# Altium PCB Mirny.PcbDoc (part 3 of 8)
Units mm, origin at the board's own origin, x right, y up, seen from the top; angles counter-clockwise.
Board outline 161.99 x 100.04 mm, 6 copper layers (L1, P2, L3, L4, P5, L6), stack 1.56 mm thick; 832 components, 485 nets, 2438 pads, 1482 vias.
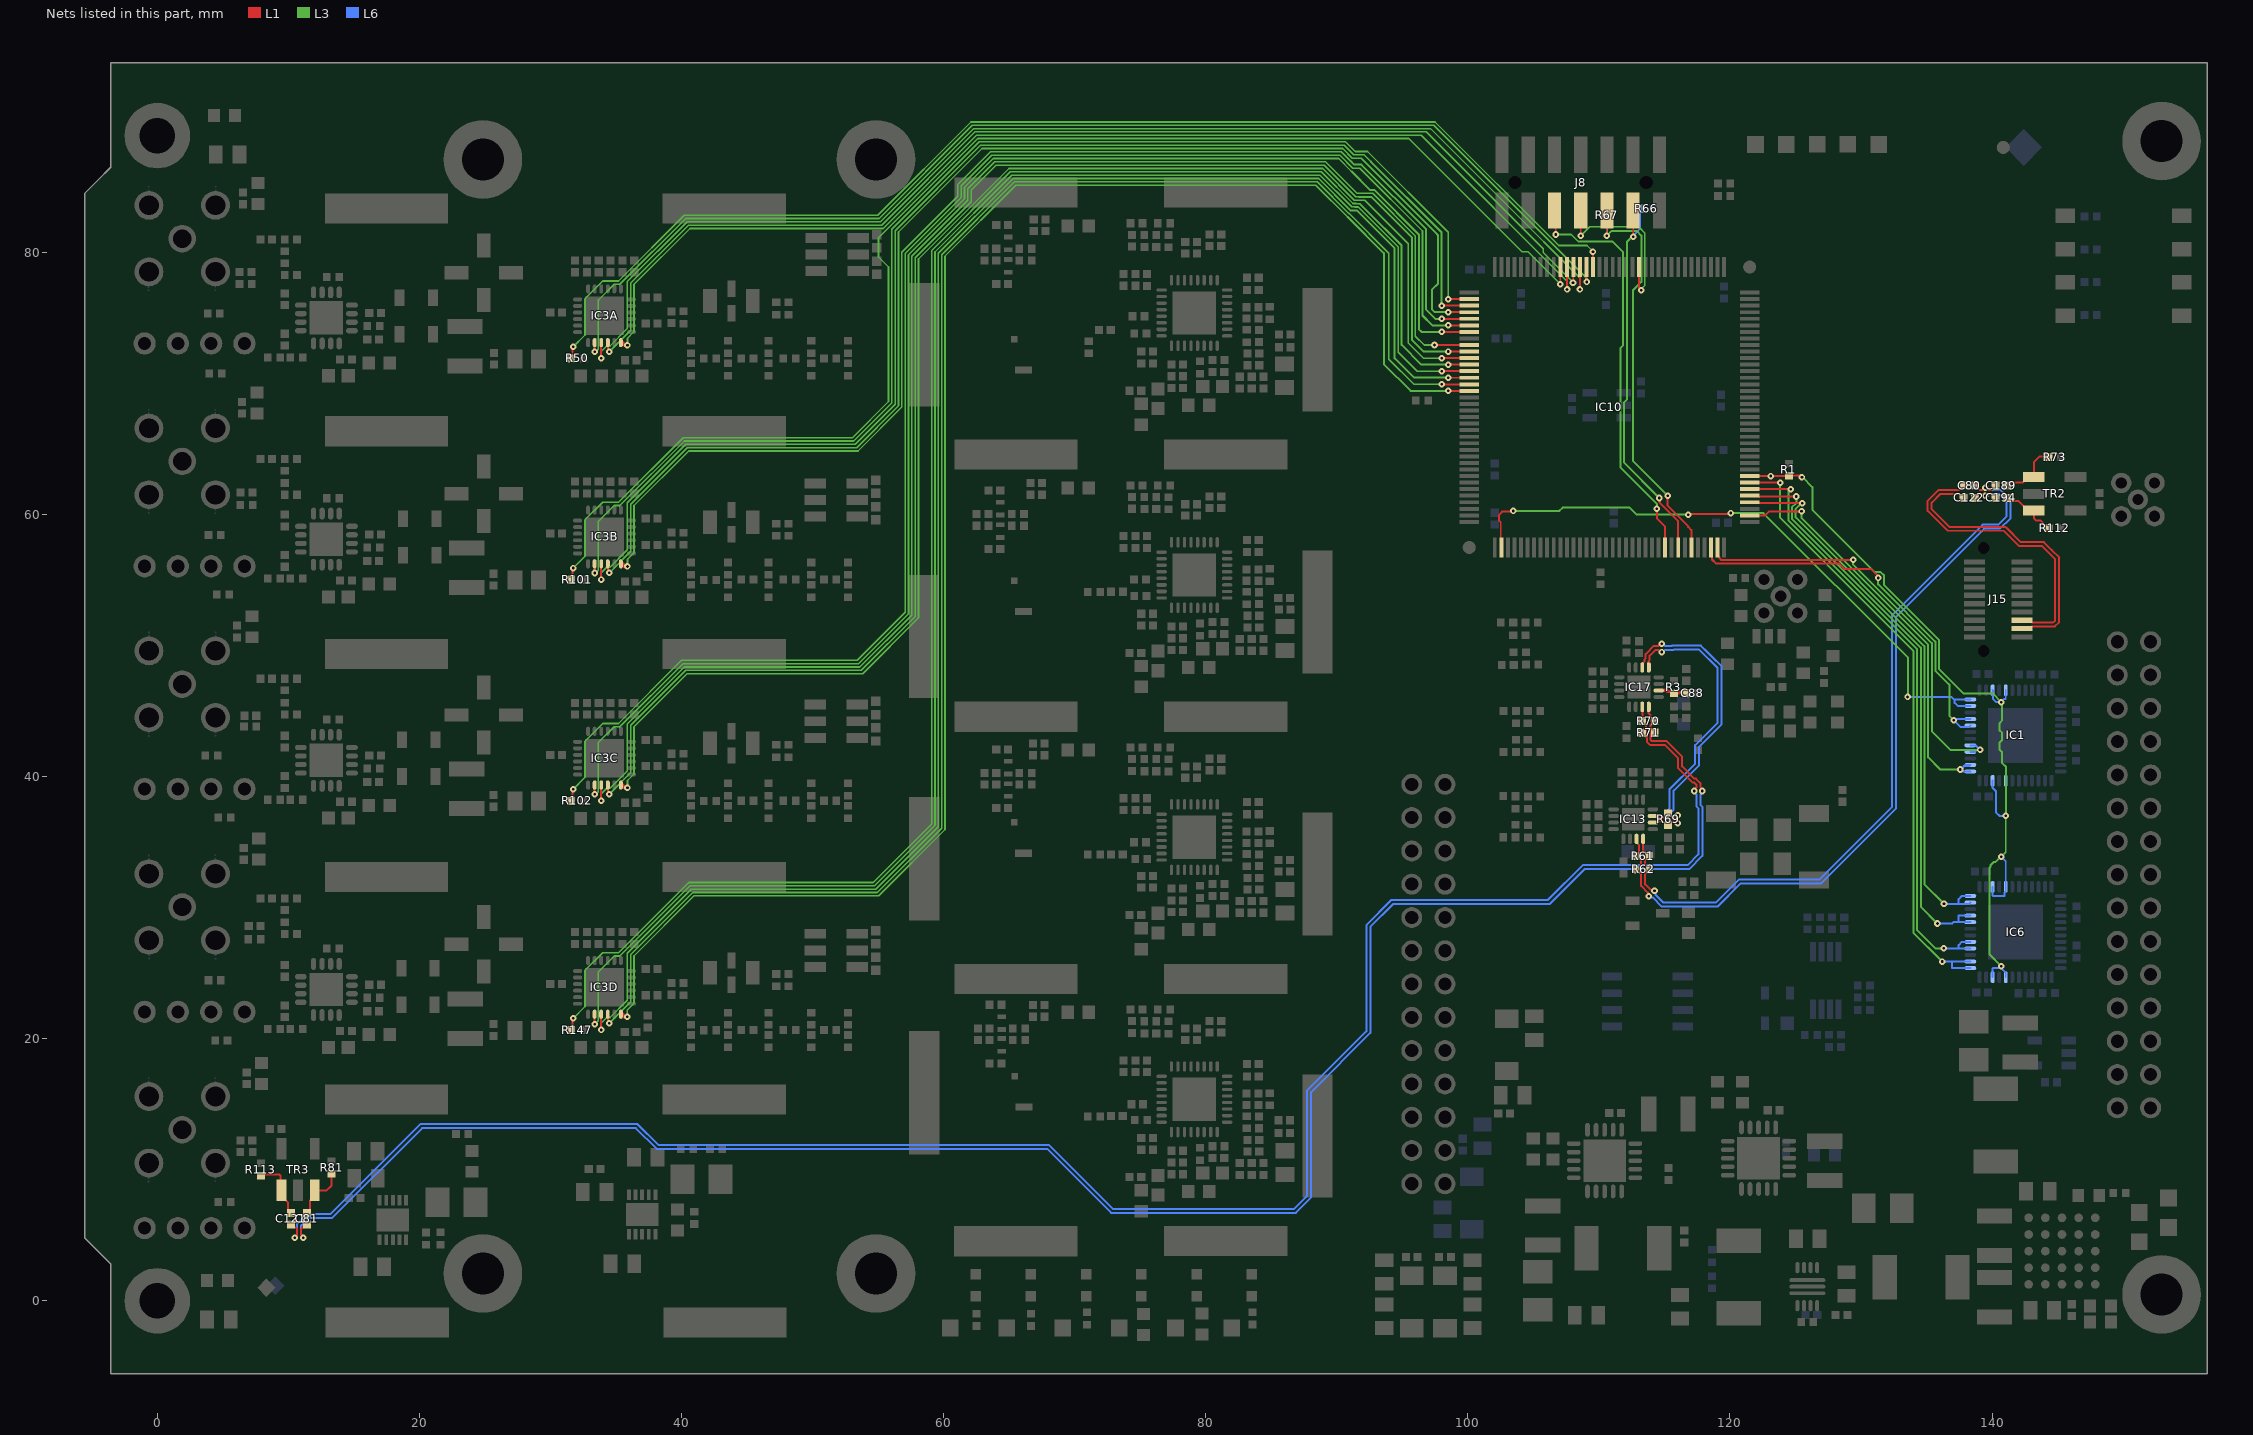
[diagram p7: the nets of this part, all layers, seen from the top]

## Part data (continued)
C28A C28B C28C C28D C30A C30B C30C C30D C38A C38B C38C C38D C46A C46B C46C C46D C63 C77 C94 C98 C100 C101 C104 C107 C139A C139B C139C C139D C140A C140B C140C C140D C160 C165 C197 C198: library part CC0402_1UF_16V_10%_X5R, "Non-polarised capacitor", Case=0402, Manufacturer=GENERIC, Manufacturer1 ComponentHeight=0.55mm, Manufacturer1 Example=TDK, Manufacturer1 Part Number=C1005X5R1C105KT, Tolerance=±10%, Voltage=16V, Author="CERN DEM JLC", Component Type=Standard, CreateDate=2012-10-25, HelpURL=\\cern.ch\dfs\Applications\Altium\Datasheets\CC0402_X5R_TDK_C.pdf, LatestRevisionDate=2012-10-25, Manufacturer Part Number=CC0402_1UF_16V_10%_X5R, Part Description="SMD Multilayer Chip Ceramic Capacitor", Part Number=CC0402_1UF_16V_10%_X5R, Pin Count=2, Sense=No, SMD=Yes, Socket=No, Status=Preferred, TC=X5R
  C28A C28B C28C C28D C30A C30B C30C C30D C38A C38B C38C C38D C63 C77 C94 C98 C100 C101 C104 C107 C139A C139B C139C C139D C140A C140B C140C C140D C160 C165 C197 C198: Mounted=Yes
  C46A C46B C46C C46D: Mounted=DNP
C42A C42B C42C C42D: library part CC0805_1UF_35V_20%_X7R, "Non-polarised capacitor", Case=0805, Manufacturer=GENERIC, Manufacturer1 ComponentHeight=1.35mm, Manufacturer1 Example="TAIYO YUDEN", Manufacturer1 Part Number=TMK212B7225MG-TR, Manufacturer Part Number=CC0805_2U2F_25V_20%_X7R, Tolerance=±20%, Voltage=25V, Author="CERN DEM JLC", Component Type=Standard, CreateDate=2011-06-22, HelpURL=\\cern.ch\dfs\Applications\Altium\Datasheets\CC0805_X7R_TAIYO-YUDEN_HIGH-VALUE.pdf, LatestRevisionDate=2011-06-22, Mounted=Yes, Part Description="SMD Multilayer Chip Ceramic Capacitor", Part Number=CC0805_2U2F_25V_20%_X7R, Pin Count=2, Sense=No, SMD=Yes, Socket=No, Status="Not Recommended", TC=X7R
C43A C43B C43C C43D C53A C53B C53C C53D C68A C68B C68C C68D: library part CC0402_100NF_16V_10%_X7R, "Non-polarised capacitor", Case=0402, Manufacturer=GENERIC, Manufacturer1 ComponentHeight=0.55mm, Manufacturer1 Example=MURATA, Manufacturer1 Part Number=GRM155R71C104KA88D, Tolerance=±10%, Voltage=16V, Author="CERN DEM JLC", Component Type=Standard, CreateDate=2013-12-05, HelpURL=\\cern.ch\dfs\Applications\Altium\Datasheets\CC0402_X7R_MURATA_GRM.pdf, LatestRevisionDate=2007-12-03, Manufacturer Part Number=CC0402_100NF_16V_10%_X7R, Mounted=Yes, Part Description="SMD Multilayer Chip Ceramic Capacitor", Part Number=CC0402_100NF_16V_10%_X7R, Pin Count=2, Sense=No, SMD=Yes, Socket=No, Status="Not Recommended", TC=X7R
C45A C45B C45C C45D C50A C50B C50C C50D: library part CMP-1034-00013-1, "CAP 0.5pF 10V ±0.1pF 0402 (1005 Metric) Thickness 0.6mm SMD", Case-EIA=0402, Case-Metric=1005, Rated Voltage="10 V", Tolerance=Â±0.1pF, Max Thickness="0.6 mm", Technology=SMT
C51A C51B C51C C51D C71A C71B C71C C71D C95 C97: library part CC0402_100PF_50V_5%_C0G, "Non-polarised capacitor", Case=0402, Manufacturer=GENERIC, Manufacturer1 ComponentHeight=0.55mm, Manufacturer1 Example=KEMET, Manufacturer1 Part Number=C0402C101J5GACTU, Tolerance=±5%, Voltage=50V, Author="CERN DEM JLC", Component Type=Standard, HelpURL="\\cern.ch\dfs\Applications\Altium\Datasheets\CC0805_C0G_KEMET_(Commercial Grade).pdf", Manufacturer Part Number=CC0402_100PF_50V_5%_C0G, Mounted=Yes, Part Description="SMD Multilayer Chip Ceramic Capacitor", Part Number=CC0402_100PF_50V_5%_C0G, Pin Count=2, Sense=No, SMD=Yes, Socket=No, Status=Preferred, TC=C0G/NP0
  C51A C51B C51C C51D C71A C71B C71C C71D: CreateDate=2007-12-03, LatestRevisionDate=2015-04-22
  C95 C97: CreateDate=03.12.2007, LatestRevisionDate=22.04.2015
C52A C52B C52C C52D C66A C66B C66C C66D C143A C143B C143C C143D: library part CC0603_10UF_16V_20%_X5R, "Non-polarised capacitor", Case=0603, Manufacturer=GENERIC, Manufacturer1 ComponentHeight=0.8mm, Manufacturer1 Example=MURATA, Manufacturer1 Part Number=GRM188R61C106MA73D, Tolerance=±20%, Voltage=16V, Author="CERN DEM MR", Component Type=Standard, CreateDate=2016-03-02, HelpURL=\\cern.ch\dfs\Applications\Altium\Datasheets\CC0603_X5R_MURATA_GRM.pdf, LatestRevisionDate=2016-03-02, Manufacturer Part Number=CC0603_10UF_16V_20%_X5R, Mounted=Yes, Part Description="SMD Multilayer Chip Ceramic Capacitor", Part Number=CC0603_10UF_16V_20%_X5R, Pin Count=2, Sense=No, SMD=Yes, Socket=No, Status=None, TC=X5R
C64 C70 C117 C119 C120 C148 C149 C150 C152 C154 C158 C183: library part CC0805_22UF_16V_10%_X5R, "Non-polarised capacitor", Case=0805, Manufacturer=GENERIC, Manufacturer1 ComponentHeight=1.35mm, Manufacturer1 Example=TDK, Manufacturer1 Part Number=C2012X5R1C226KT, Tolerance=±10%, Voltage=16V, Author="CERN DEM JLC", Component Type=Standard, CreateDate=25.10.2012, HelpURL=\\cern.ch\dfs\Applications\Altium\Datasheets\CC0805_X5R_TDK_C.pdf, LatestRevisionDate=25.10.2012, Manufacturer Part Number=CC0805_22UF_16V_10%_X5R, Mounted=Yes, Part Description="SMD Multilayer Chip Ceramic Capacitor", Part Number=CC0805_22UF_16V_10%_X5R, Pin Count=2, Sense=No, SMD=Yes, Socket=No, Status=Preferred, TC=X5R
C73 C75 C78 C125 C126 C166: library part CC1210_47UF_10V_20%_X5R, "Non-polarised capacitor", Case=1210, Manufacturer=GENERIC, Manufacturer1 ComponentHeight=2.7mm, Manufacturer1 Example="TAIYO YUDEN", Manufacturer1 Part Number=LMK325BJ476MM-T, Tolerance=±20%, Voltage=10V, Author="CERN DEM JLC", Component Type=Standard, CreateDate=04.05.2011, HelpURL=\\cern.ch\dfs\Applications\Altium\Datasheets\CC1210_X5R_TAIYO-YUDEN_HIGH-VALUE.pdf, LatestRevisionDate=04.05.2011, Manufacturer Part Number=CC1210_47UF_10V_20%_X5R, Mounted=Yes, Part Description="SMD Multilayer Chip Ceramic Capacitor", Part Number=CC1210_47UF_10V_20%_X5R, Pin Count=2, Sense=No, SMD=Yes, Socket=No, Status=None, TC=X5R
C74 C127 C146 C151 C156: library part CTE3528-21_22UF_10V_10%_LESR0700, "Polarised capacitor", Case=B, Manufacturer=GENERIC, Manufacturer1 ComponentHeight=2.1mm, Manufacturer1 Example=AVX, Manufacturer1 Part Number=TPSB226K010R0700, Tolerance=±10%, Voltage=10V, Author="CERN DEM JLC", Component Type=Standard, CreateDate=05.05.2008, HelpURL=\\cern.ch\dfs\Applications\Altium\Datasheets\CTE-LESR_AVX_TPS.pdf, LatestRevisionDate=20.01.2009, Manufacturer Part Number=CTE3528-21_22UF_10V_10%_LESR0700, Mounted=Yes, Part Description="Low ESR 0R7 Solid Tantalum Chip Capacitor", Part Number=CTE3528-21_22UF_10V_10%_LESR0700, Pin Count=2, Sense=No, SMD=Yes, Socket=No, Status=Preferred
C84A C84B C84C C84D: library part CC0603_10UF_16V_20%_X5R, "Non-polarised capacitor", Case=0603, Manufacturer=GENERIC, Manufacturer1 ComponentHeight=0.8mm, Manufacturer1 Example=TDK, Manufacturer1 Part Number=C1608X5R1C475K080AC, Manufacturer Part Number=CC0603_4U7F_16V_10%_X5R, Tolerance=±10%, Voltage=16V, Author="CERN DEM MR", Component Type=Standard, CreateDate=2016-03-02, HelpURL=\\cern.ch\dfs\Applications\Altium\Datasheets\CC0603_X5R_MURATA_GRM.pdf, LatestRevisionDate=2016-03-02, Mounted=Yes, Part Description="SMD Multilayer Chip Ceramic Capacitor", Part Number=CC0603_4U7F_16V_10%_X5R, Pin Count=2, Sense=No, SMD=Yes, Socket=No, Status=None, TC=X5R
C103 C110 C118 C132: library part CC0402_1NF_50V_10%_X7R, "Non-polarised capacitor", Case=0402, Manufacturer=GENERIC, Manufacturer1 ComponentHeight=0.55mm, Manufacturer1 Example=TDK, Manufacturer1 Part Number=C1005C0G1E102J050BA, Manufacturer Part Number=CC0402_1NF_25V_5%_NP0, Tolerance=±5%, Voltage=25V, Author="CERN DEM JLC", Component Type=Standard, CreateDate=03.12.2007, HelpURL=\\cern.ch\dfs\Applications\Altium\Datasheets\CC0402_X7R_PHYCOMP.pdf, LatestRevisionDate=03.12.2007, Mounted=Yes, Part Description="SMD Multilayer Chip Ceramic Capacitor", Part Number=CC0402_1NF_25V_5%_NP0, Pin Count=2, Sense=No, SMD=Yes, Socket=No, Status="Not Recommended", TC=NP0
C105 C106 C111 C112 C123 C124 C133 C134: library part CC0805_22UF_16V_10%_X5R, "Non-polarised capacitor", Case=0805, Manufacturer=GENERIC, Manufacturer1 ComponentHeight=1.35mm, Manufacturer1 Example=SAMSUNG, Manufacturer1 Part Number=CL21B106KOQNNN, Manufacturer Part Number=CC0805_10UF_16V_10%_X7R, Tolerance=±10%, Voltage=16V, Author="CERN DEM JLC", Component Type=Standard, CreateDate=25.10.2012, HelpURL=\\cern.ch\dfs\Applications\Altium\Datasheets\CC0805_X5R_TDK_C.pdf, LatestRevisionDate=25.10.2012, Mounted=Yes, Part Description="SMD Multilayer Chip Ceramic Capacitor", Part Number=CC0805_10UF_16V_10%_X7R, Pin Count=2, Sense=No, SMD=Yes, Socket=No, Status=Preferred, TC=X7R
C144 C145: library part CC0805_NO-VALUE, "Non-polarised capacitor", Case=0805, Manufacturer1 ComponentHeight=1.35mm, Author="CERN DEM JLC", Component Type=Standard, CreateDate=10.12.2008, HelpURL=Undefined, LatestRevisionDate=11.09.2013, Manufacturer=Undefined, Manufacturer Part Number=CC0805_NO-VALUE, Mounted=No, Part Description="Reserved Footprint For 0805(2012) Chip Ceramic Capacitor", Part Number=CC0805_NO-VALUE, Pin Count=2, Sense=No, SMD=Yes, Socket=No, Status=None
CLIP1 CLIP2 CLIP3 CLIP4 CLIP5 CLIP6 CLIP7 CLIP8 CLIP9 CLIP10 CLIP11 CLIP12 CLIP13 CLIP14 CLIP15 CLIP16 CLIP17 CLIP18 CLIP19 CLIP20 CLIP21 CLIP22 CLIP23 CLIP24 CLIP25 CLIP26 CLIP27 CLIP28 CLIP29 CLIP30: library part SHIELD_CLIP, "Surface Mount Clip for PCB Screening Covers", Manufacturer=HARWIN, Author="CERN DEM JLC", ComponentHeight=3.5mm, Component Type=Standard, CreateDate=2013-06-25, HelpURL=\\cern.ch\dfs\Applications\Altium\Datasheets\CLIP_HOLLAND-SHIELDING_LC.pdf, LatestRevisionDate=2013-06-25, Manufacturer Part Number=S1411-46R, Mounted=Yes, PackageDescription="Surface Mount Clip for PCB Screening Covers, 1500 Serie", Part Description="Surface Mount Clip for PCB Screening Covers, 1500 Serie", Part Number=S1411-46R, Pin Count=1, PressFit=No, SMD=Yes, Socket=No, Status=None, Table="Metal Screening Box"
D1: "Ultra Low Capacitance Double Rail-to-Rail ESD Protection Diode", Case=SOT143B, Manufacturer="NXP SEMICONDUCTORS", Voltage=5.5V, Author="CERN DEM JLC", Bonding=No, Component Type=Standard, ComponentHeight=1.1mm, CreateDate=22.03.2011, Device=PRTR5V0U2X, HelpURL=\\cern.ch\dfs\Applications\Altium\Datasheets\PRTR5V0U2X.pdf, LatestRevisionDate=22.03.2011, Manufacturer Part Number=PRTR5V0U2X, Mounted=Yes, PackageDescription="SOT143B, SOT, 1.90mm Pitch; 4 Pin, 1.30mm W X 2.90mm L X 1.10mm H body, IPC Medium Density", Part Description="Ultra Low Capacitance (1pF) Double Rail-to-Rail ESD Protection Diode (8kV)", Part Number=PRTR5V0U2X, Pin Count=4, PressFit=No, Sense=No, SMD=Yes, Socket=No
FL1A FL1B FL1C FL1D: library part FIL_MINI-CIRCUITS_LFCN-320, "50 Ohm DC to 4400MHz Low Pass Filter", Manufacturer=MINI-CIRCUITS, Manufacturer Part Number=LFCN-4400+, Part Number=FIL_MINI-CIRCUITS_LFCN-4400+, Author="CERN DEM JLC", ComponentHeight=0.94mm, Component Type=Standard, CreateDate=2013-12-09, HelpURL=\\cern.ch\dfs\Applications\Altium\Datasheets\FIL_MINI-CIRCUITS_LFCN-4000+.pdf, LatestRevisionDate=2013-12-09, Mounted=Yes, Part Description="50 Ohm Low Pass Filter", Pin Count=2, Sense=No, SMD=Yes, Socket=No, Status=None
FTG1: library part FIDUCIAL_TARGET_C100-200, "Fiducial Target", Author="CERN DEM JLC", Component Type="Standard (No BOM)", ComponentHeight=0mm, CreateDate=09.02.2010, Family=Fiducial, HelpURL=Undefined, LatestRevisionDate=04.04.2012, Mounted=No, PackageDescription="Round Fiducial Target, Top Layer, 1.0mm, Top Solder 2.0mm, Keepout =2.0mm", Part Description="Round Fiducial Target, Top Layer, 1.0mm, Top Solder 2.0mm, Keepout =2.0mm", Part Number=FIDUCIAL_TARGET_C100-200, Pin Count=1, Sense=No, SMD=Yes, Socket=No, Status=None
FTG2 FTG4: library part FIDUCIAL_TARGET_S100-200, "Fiducial Target", Author="CERN DEM JLC", Component Type="Standard (No BOM)", ComponentHeight=0mm, CreateDate=09.02.2010, Family=Fiducial, HelpURL=Undefined, LatestRevisionDate=04.04.2012, Mounted=No, PackageDescription="Square Fiducial Target, Top Layer, 1.0mm, Top Solder 2.0mm, Keepout =2.0mm", Part Description="Square Fiducial Target, Top Layer, 1.0mm, Top Solder 2.0mm, Keepout =2.0mm", Part Number=FIDUCIAL_TARGET_S100-200, Pin Count=1, Sense=No, SMD=Yes, Socket=No, Status=None
FTG3: library part FIDUCIAL_TARGET_S200-400, "Fiducial Target", Author="CERN DEM JLC", Component Type="Standard (No BOM)", ComponentHeight=0mm, CreateDate=02.06.2008, Family=Fiducial, HelpURL=Undefined, LatestRevisionDate=04.04.2012, Mounted=No, PackageDescription="Square Fiducial Target, Top Layer, 2.0mm, Top Solder 4.0mm, Keepout =4.0mm", Part Description="Square Fiducial Target, Top Layer, 2.0mm, Top Solder 4.0mm, Keepout =4.0mm", Part Number=FIDUCIAL_TARGET_S200-400, Pin Count=1, Sense=No, SMD=Yes, Socket=No, Status=None
IC1 IC6: "4-Channel Half-Duplex M-LVDS Line Transceiver", Case=QFN48, Manufacturer="TEXAS INSTRUMENTS", Author="CERN DEM JLC", Bonding=No, ComponentHeight=1mm, Component Type=Standard, CreateDate=17.03.2011, Device=SN65MLVD040RGZT, HelpURL=\\cern.ch\dfs\Applications\Altium\Datasheets\SN65MLVD040RGZT.pdf, LatestRevisionDate=17.03.2011, Manufacturer Part Number=SN65MLVD040RGZT, Mounted=Yes, PackageDescription="QFN, 0.50mm Pitch, Square; 48 Pin, 7.00mm L X 7.00mm W X 1mm H body (W/Thermal Tab 4.2mm X 4.2mm), IPC Medium Density", Part Description="4-Channel Half-Duplex M-LVDS Line Transceiver", Part Number=SN65MLVD040RGZT, Pin Count=49, PressFit=No, Sense=No, SMD=Yes, Socket=No
IC2A IC2B IC2C IC2D: "DC-4GHz Monolithic Amplifier", Manufacturer=MINI-CIRCUITS, Author="CERN DEM JMW", Bonding=No, ComponentHeight=1.52mm, Component Type=Standard, CreateDate=11.08.2016, Device=ERA-4XSM+, HelpURL=\\cern.ch\dfs\Applications\Altium\Datasheets\ERA-4XSM+.pdf, LatestRevisionDate=11.08.2016, Manufacturer Part Number=ERA-4XSM+, Mounted=Yes, PackageDescription="MINI-CIRCUITS WW107 Case, Body 2.16mm Diameter X 1.52mm H", Part Description="DC-4GHz Monolithic Amplifier", Part Number=ERA-4XSM+, Pin Count=4, PressFit=No, Sense=No, SMD=Yes, Socket=No
IC3A IC3B IC3C IC3D: "0.5dB LSB GaAs MMIC 6-bit Digital Serial Control Attenuator, DC - 4GHz", Case=QFN24, Manufacturer="HITTITE MICROWAVE CORP", Author="CERN DEM JMW", Bonding=No, ComponentHeight=1mm, Component Type=Standard, CreateDate=2016-08-17, Device=HMC542BLP4E, HelpURL=\\cern.ch\dfs\Applications\Altium\Datasheets\HMC542BLP4E.pdf, LatestRevisionDate=2016-08-17, Manufacturer Part Number=HMC542BLP4E, Mounted=Yes, PackageDescription="QFN, 0.50mm Pitch, Square; 24 Pin, 4.00mm L X 4.00mm W X 1.00mm H Body (w/thermal Tab 2.95 X 2.95mm), IPC Medium Density", Part Description="0.5dB LSB GaAs MMIC 6-bit Digital Serial Control Attenuator, DC to 4GHz", Part Number=HMC542BLP4E, Pin Count=25, PressFit=No, Sense=No, SMD=Yes, Socket=No
IC4A IC4B IC4C IC4D: "DC-4GHz High Isolation SPDT Non-Reflective Switch", Case=QFN16, Manufacturer="ANALOG DEVICES", Author="CERN DEM JLC", Bonding=No, ComponentHeight=1mm, Component Type=Standard, CreateDate=2017-02-23, Device=HMC349ALP4CE, HelpURL=\\cern.ch\dfs\Applications\Altium\Datasheets\HMC349ALP4CE.pdf, LatestRevisionDate=2017-02-23, Manufacturer Part Number=HMC349ALP4CE, Mounted=Yes, PackageDescription="QFN, 0.65mm pitch,square; 4 pin X 4 pin, 4mm X 4mm X 1mm H body (w/thermal tab 2.55 X 2.55mm),  IPC Medium Density", Part Description="DC-4GHz High Isolation SPDT Non-Reflective Switch", Part Number=HMC349ALP4CE, Pin Count=17, PressFit=No, Sense=No, SMD=Yes, Socket=No
IC5: "Operational Amplifier", Case=SOT23-5, Manufacturer="ST MICROELECTRONICS", Author="CERN DEM MR", Bonding=No, Component Type=Standard, ComponentHeight=1.45mm, CreateDate=02/10/2017, Device=LMV321ILT, HelpURL=\\cern.ch\dfs\Applications\Altium\Datasheets\LMV321ILT.pdf, LatestRevisionDate=02/10/2017, Manufacturer Part Number=LMV321ILT, Mounted=Yes, PackageDescription="SOT, 0.95mm pitch; 5 pin, 1.60mm W X 2.90mm L X 1.45mm H body, IPC Medium Density", Part Description="Low Cost, Low Power, Input/Output Rail-To-Rail Operational Amplifiers", Part Number=LMV321ILT, Pin Count=5, PressFit=No, Sense=No, SMD=Yes, Socket=No
IC7 IC11: "3A, 0.8 to 3.6V Adjustable Low-Dropout Linear Regulator with Programmable Soft-Start", Case=QFN20, Manufacturer="TEXAS INSTRUMENTS", Author="CERN DEM JLC", Bonding=No, ComponentHeight=1mm, Component Type=Standard, CreateDate=07.03.2013, Device=TPS74901RGWT, HelpURL=\\cern.ch\dfs\Applications\Altium\Datasheets\TPS74901RGWT.pdf, LatestRevisionDate=07.03.2013, Manufacturer Part Number=TPS74901RGWT, Mounted=Yes, PackageDescription="QFN, 0.65mm pitch,square; 20 pin, 5mm X 5mm X 1mm H body (w/thermal tab 3.25 X 3.25mm),  IPC Medium Density", Part Description="0.8V to 3.6V, 3.0A Low Dropout Linear Regulator with Programmable Soft-Start", Part Number=TPS74901RGWT, Pin Count=21, PressFit=No, Sense=No, SMD=Yes, Socket=No
IC8: "1.7V-5.5V, 2K I2C Serial EEPROM With EUI-48 Node Identity", Case=SOT23-5, Manufacturer="MICROCHIP TECHNOLOGY", Author="CERN DEM MR", Bonding=No, ComponentHeight=1.45mm, Component Type=Standard, CreateDate=31.03.2016, Device=24AA02E48T-I/OT, HelpURL=\\cern.ch\dfs\Applications\Altium\Datasheets\24AA02E48T-I-OT.pdf, LatestRevisionDate=31.03.2016, Manufacturer Part Number=24AA02E48T-I/OT, Mounted=Yes, PackageDescription="SOT, 0.95mm pitch; 5 pin, 1.60mm W X 2.90mm L X 1.45mm H body, IPC Medium Density", Part Description="1.7V-5.5V, 2K I2C Serial EEPROM With EUI-48 Node Identity", Part Number=24AA02E48T-I/OT, Pin Count=5, PressFit=No, Sense=No, SMD=Yes, Socket=No
IC9A IC9B IC9C IC9D: "54MHz to 4400MHz Frequency Synthesizer", Manufacturer="Analog Devices", Manufacturer Part Number=ADF4355-2BCPZ, Bonding=No, ComponentHeight=0.75mm, ComponentLink1Description="Manufacturer Link", ComponentLink1URL=http://www.analog.com/en/prod/0%2C2877%2CAD809%2C00.html, ComponentLink2Description=Datasheet, ComponentLink2URL=http://www.analog.com/UploadedFiles/Data_Sheets/653287459AD809_a.pdf, Component Type=Standard, CreateDate=2018-06-18, LatestRevisionDate=2018-06-18, Mounted=Yes, PackageDescription="32-Lead LFCSP (CP-32-7)", Part Description="54MHz to 4400MHz Frequency Synthesizer", Part Number=ADF4355-2BCPZ, Pin Count=32, PressFit=No, Sense=No, SMD=Yes, Socket=No
IC10: "CoolRunner-II 1.8V, 128 Macrocell CPLD, 100 User I/Os, 144-Pin TQFP, Commercial Grade, Pb-Free", Case=QFP144, Manufacturer=XILINX, Author="CERN DEM JLC", Bonding=No, ComponentHeight=1.6mm, ComponentLink1Description="Package Drawing", ComponentLink1URL=\\cern.ch\dfs\Applications\Altium\Datasheets\XC2C128-6TQG144C_Package.pdf, Component Type=Standard, CreateDate=16.11.2010, Device=XC2C128-6TQG144C, HelpURL=\\cern.ch\dfs\Applications\Altium\Datasheets\XC2C128-6TQG144C.pdf, LatestRevisionDate=16.11.2010, Manufacturer Part Number=XC2C128-6TQG144C, Mounted=Yes, PackageDescription="QFP, 144-Leads, Body 20x20mm (BSC), Pitch 0.50mm, IPC Medium Density", Part Description="CoolRunner-II 1.8V, 128 Macrocell CPLD, 100 User I/Os, 144-Pin TQFP, Commercial Grade, Pb-Free", Part Number=XC2C128-6TQG144C, Pin Count=144, PressFit=No, Sense=No, SMD=Yes, Socket=No
IC12: "Digital Temperature Sensor and Thermal Watchdog with Two-Wire Interface", Case=SSOP8, Manufacturer="TEXAS INSTRUMENTS", Author="CERN DEM JLC", Bonding=No, ComponentHeight=1.09mm, Component Type=Standard, CreateDate=15.10.2012, Device=LM75AIMM/NOPB, HelpURL=\\cern.ch\dfs\Applications\Altium\Datasheets\LM75AIMM-NOPB.pdf, LatestRevisionDate=15.10.2012, Manufacturer Part Number=LM75AIMM/NOPB, Mounted=Yes, PackageDescription="SOP, 0.65mm pitch; 8 pin,3.00mm W X 3.00mm L X 1.09mm H bodyI, PC Medium Density", Part Description="-25° to +100°C ±2°C Digital Temperature Sensor and Thermal Watchdog with Two-Wire Interface", Part Number=LM75AIMM/NOPB, Pin Count=8, PressFit=No, Sense=No, SMD=Yes, Socket=No
IC13 IC17: "Low-Jitter LVDS Fanout Clock Buffers, 10-Output,  Any-Input, Any-Frequency up to 1250MHz", Case=QFN16, Manufacturer="SILICON LABS", Author="CERN DEM MR", Bonding=No, Component Type=Standard, ComponentHeight=0.9mm, CreateDate=04.09.2017, Device=Si53340-B-GM, HelpURL=\\cern.ch\dfs\Applications\Altium\Datasheets\Si53340-B-GM.pdf, LatestRevisionDate=04.09.2017, Manufacturer Part Number=Si53340-B-GM, Mounted=Yes, PackageDescription="QFN, 0.50mm Pitch, Square; 16 Pin, 3.00mm L X 3.00mm W X 0.90mm H Body (w/thermal tab 1.75mm x 1.75mm), IPC Medium Density", Part Description="Low-Jitter LVDS Fanout Clock Buffers, 10-Output,  Any-Input, Any-Frequency up to 1250MHz", Part Number=Si53340-B-GM, Pin Count=17, PressFit=No, Sense=No, SMD=Yes, Socket=No
IC14: "1.8V, 150mA Linear Voltage Regulator For Digital Applications", Case=SOT23-5, Manufacturer="TEXAS INSTRUMENTS", Author="CERN DEM JLC", Bonding=No, ComponentHeight=1.19mm, Component Type=Standard, CreateDate=19.01.2011, Device=LP3990MF-1.8/NOPB, HelpURL=\\cern.ch\dfs\Applications\Altium\Datasheets\LP3990MF-1.8-NOPB.pdf, LatestRevisionDate=16.09.2014, Manufacturer Part Number=LP3990MF-1.8/NOPB, Mounted=Yes, PackageDescription="SOT23 5, Pitch 0.95mm - Body 1.67x2.99mm, IPC Medium Density", Part Description="1.8V, 150mA Linear Voltage Regulator For Digital Applications", Part Number=LP3990MF-1.8/NOPB, Pin Count=5, PressFit=No, Sense=No, SMD=Yes, Socket=No
IC15: library part PM_LTM4622, "Dual Ultrathin 2A or Single 4A, 3.6V to 20V, 1.5V to 12V   Step-Down DC/DC μModule Regulator", Case=LGA25, Manufacturer="LINEAR TECHNOLOGY", Author=GK, Bonding=No, Component Type=Standard, ComponentHeight=2.92mm, CreateDate=06.05.2010, Device=LTM4622AEV#PBF, HelpURL=\\cern.ch\dfs\Applications\Altium\Datasheets\LTM4619EV#PBF.pdf, LatestRevisionDate=07.12.2011, Manufacturer Part Number=LTM4622AEV#PBF, Mounted=Yes, PackageDescription="LGA, 25-Leads, Body 6.25x6.25mmx1.90mm, Pitch 1.27mm", Part Description="Dual Ultrathin 2A or Single 4A, 3.6V to 20V, 1.5V to 12V   Step-Down DC/DC μModule Regulator", Part Number=LTM4622AEV#PBF, Pin Count=25, PressFit=No, Sense=No, SMD=Yes, Socket=No
IC16 IC18: "20V, 500mA, Ultralow Noise, Ultrahigh PSRR Linear Regulator", Case=SON10, Manufacturer="LINEAR TECHNOLOGY", Author="CERN DEM JLC", Bonding=No, Component Type=Standard, ComponentHeight=0.8mm, CreateDate=07.12.2016, Device=LT3045EDD#PBF, HelpURL=\\cern.ch\dfs\Applications\Altium\Datasheets\LT3045EDD#PBF.pdf, LatestRevisionDate=07.12.2016, Manufacturer Part Number=LT3045EDD#PBF, Mounted=Yes, PackageDescription="SON, 0.50mm Pitch, 10-pin, 3.00mm W  X 3.00mm L X 0.80mm Height, (w/thermal tab 1.75 X 2.48 mm), IPC Medium Density", Part Description="20V, 500mA, Ultralow Noise, Ultrahigh PSRR Linear Regulator", Part Number=LT3045EDD#PBF, Pin Count=11, PressFit=No, Sense=No, SMD=Yes, Socket=No